# KiCad board frothfet.kicad_pcb
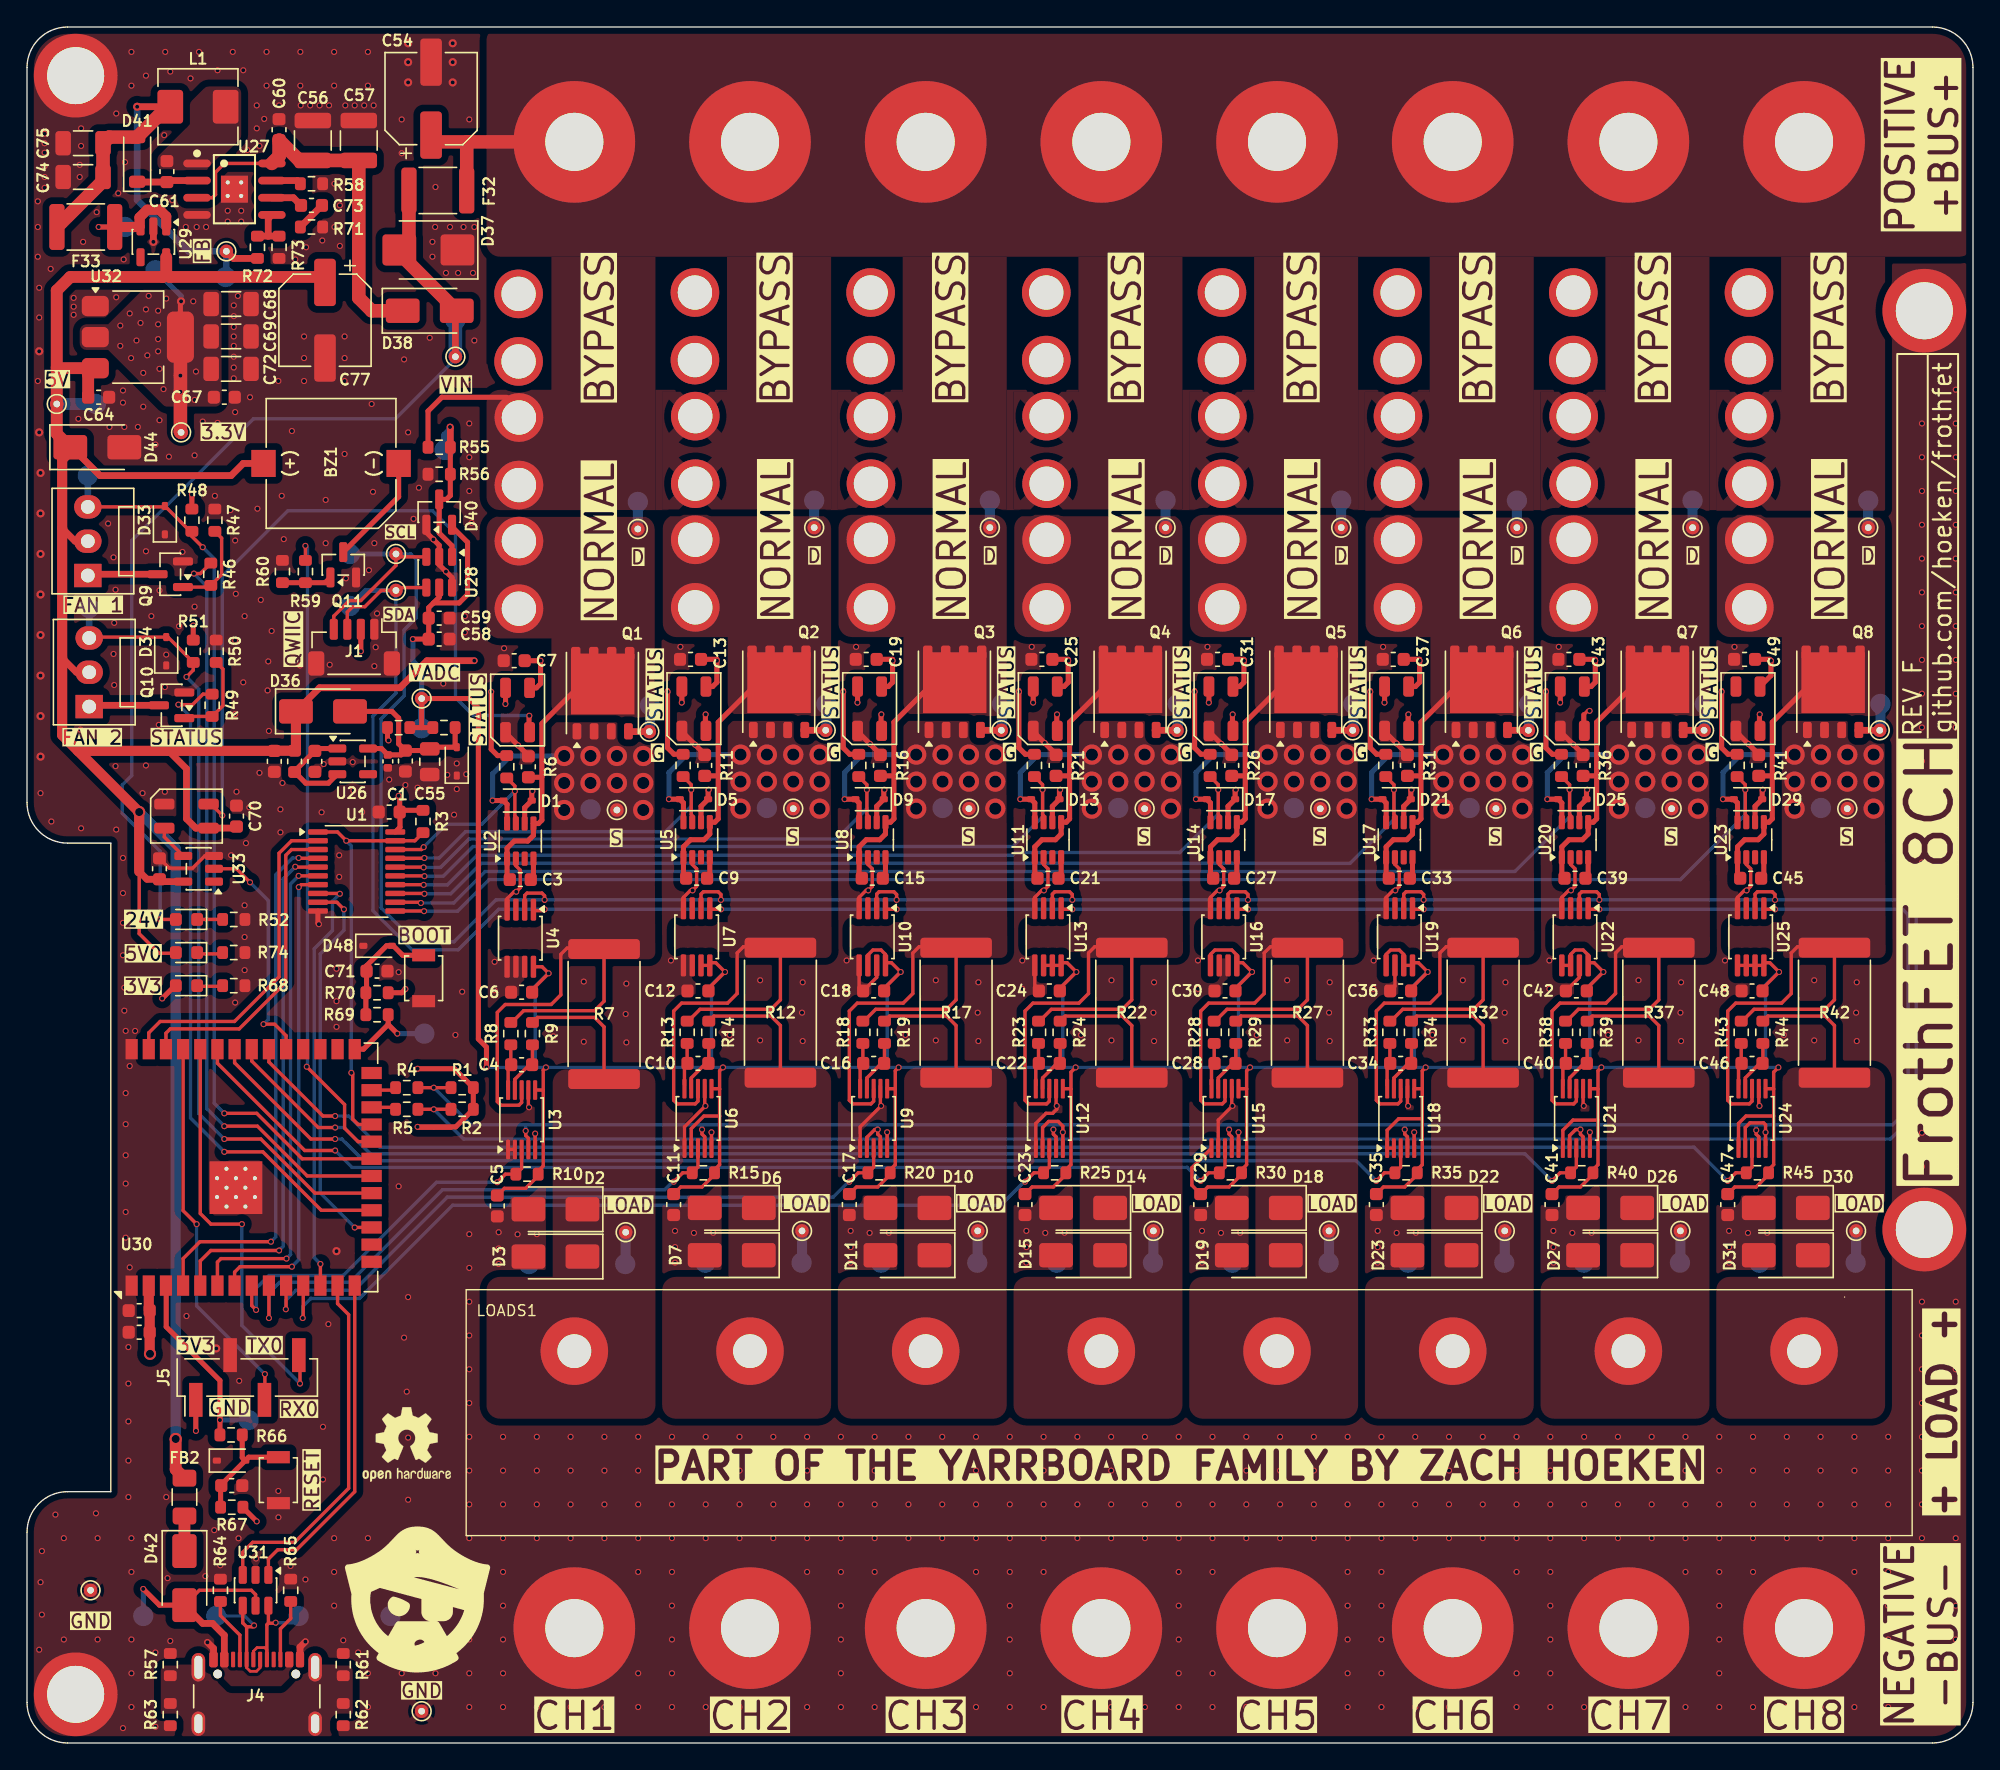
[diagram p0: board, top side]
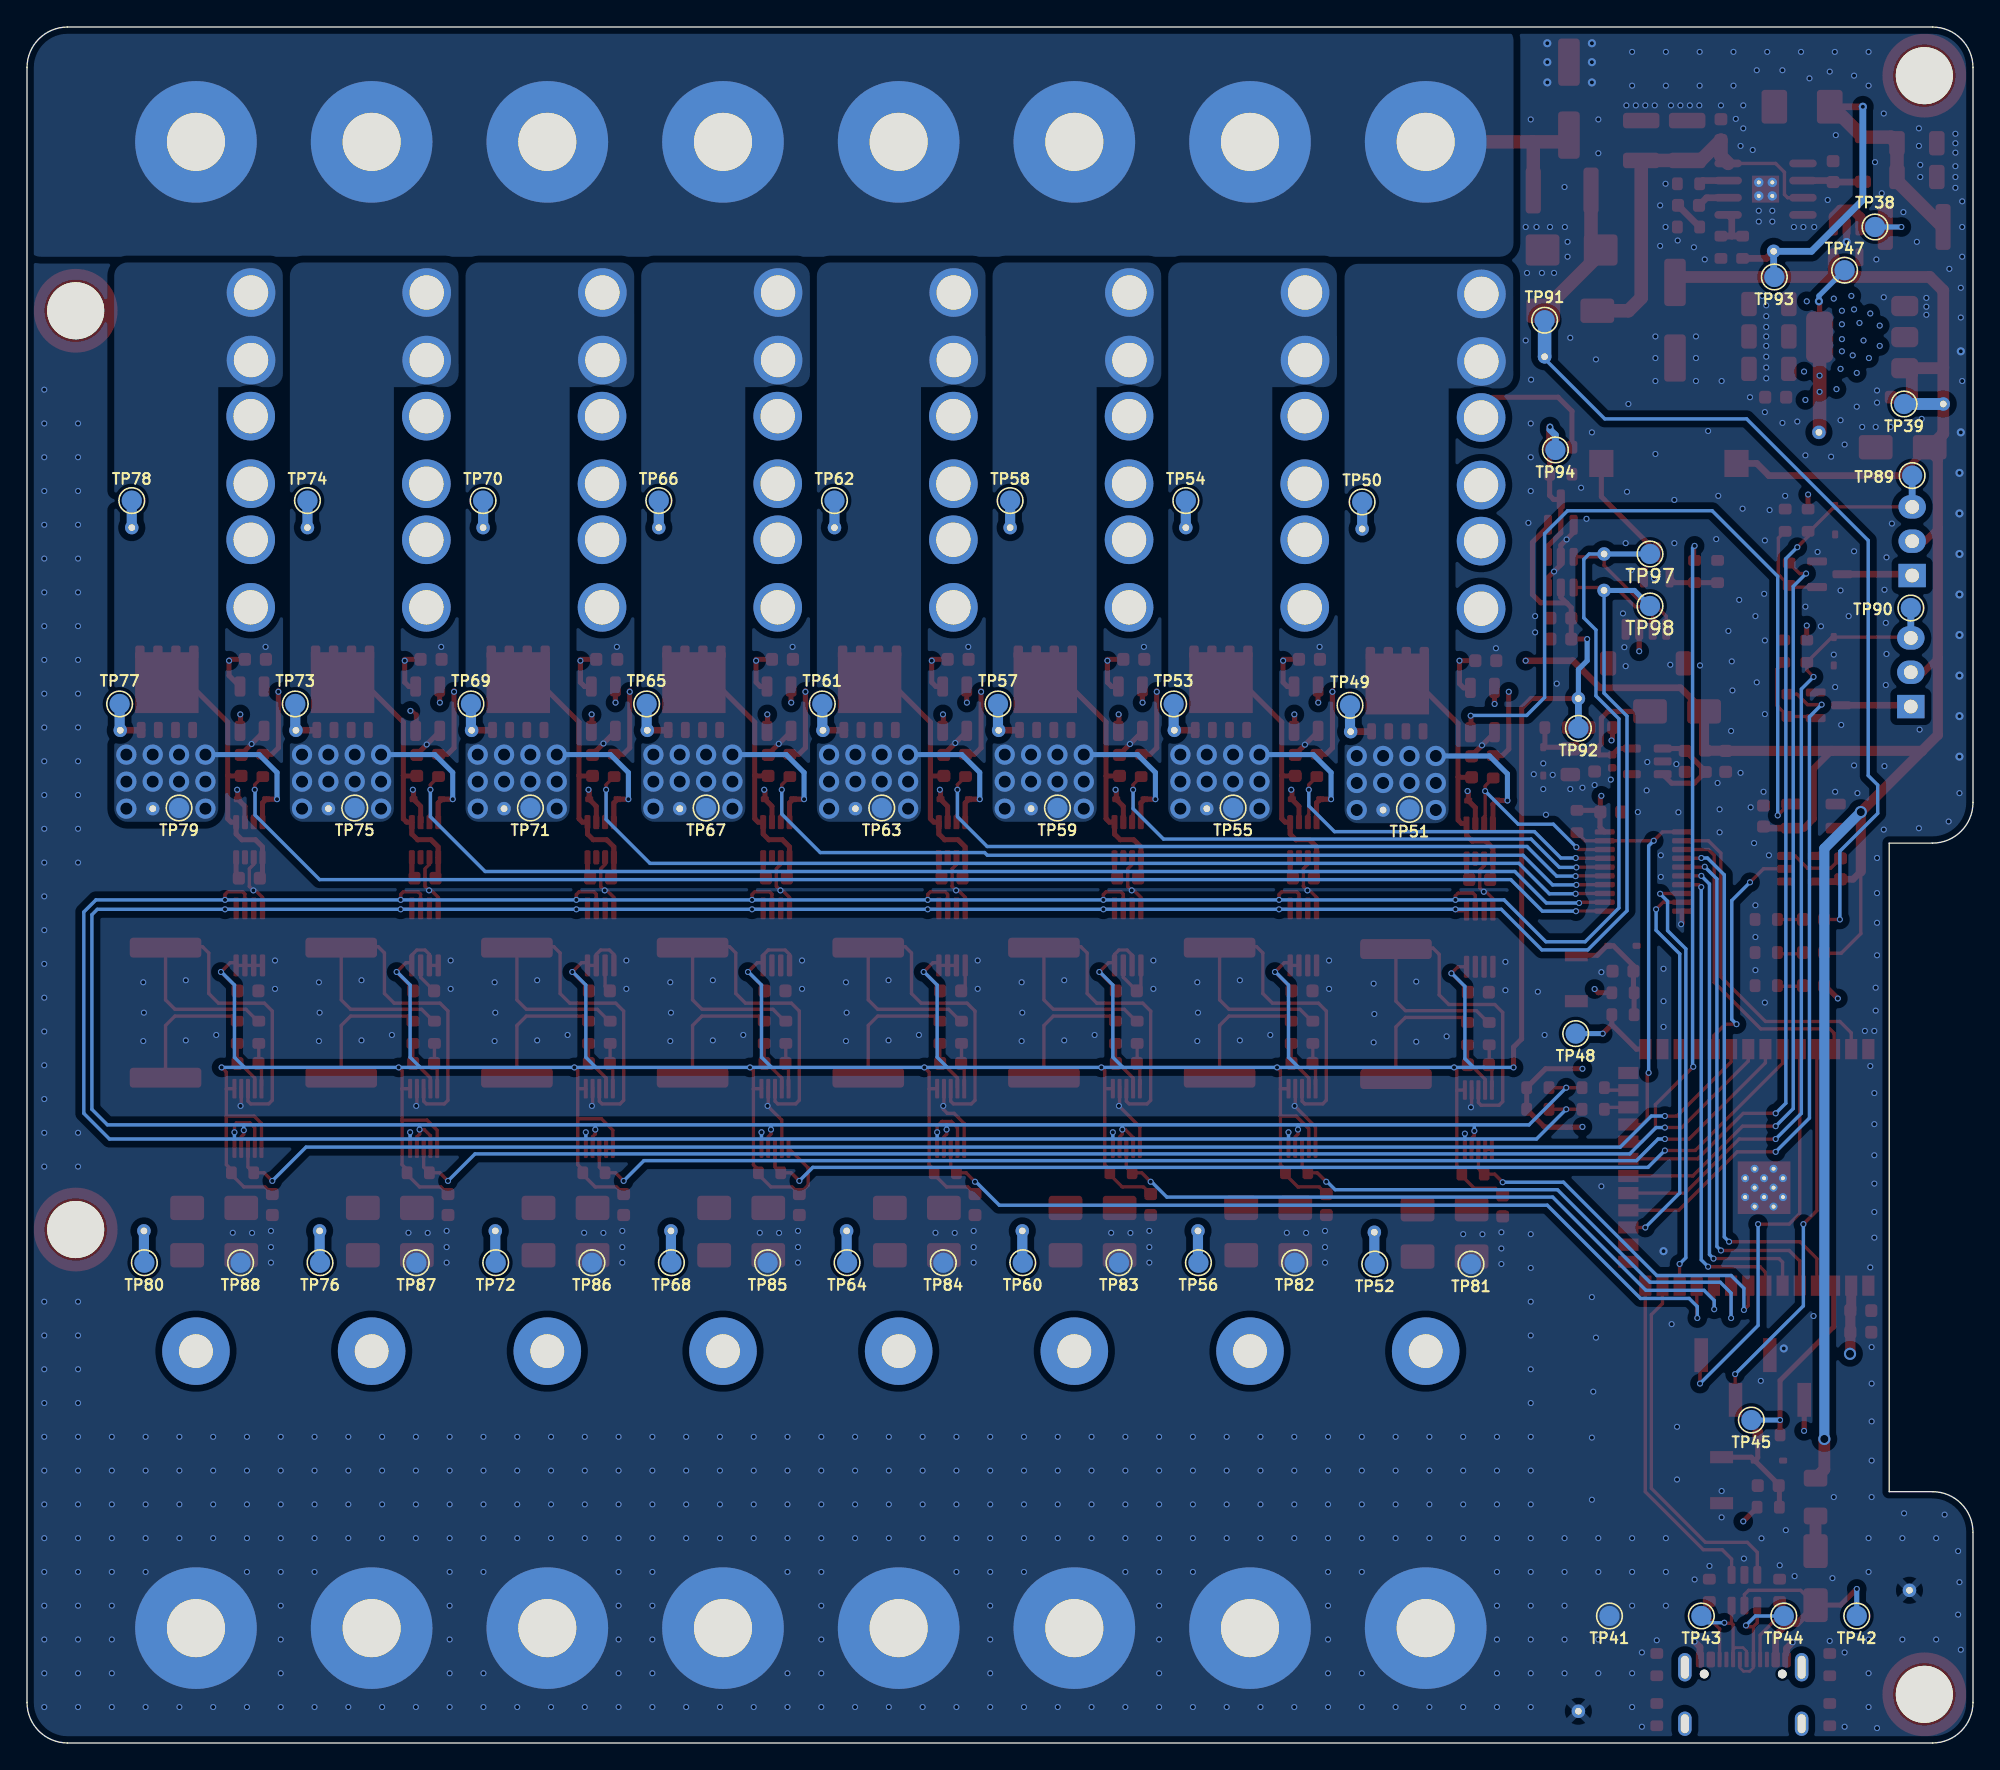
[diagram p1: board, bottom side, seen from below]

Outline 144 x 127 mm; copper layers: Top, In1.Cu, In2.Cu, Bottom. Coordinates in mm from the lower left corner of the outline.
Outline path: 0,124 0,69.6 arc(0.88,67.48) 3,66.6 6.2,66.6 6.2,18.6 3,18.6 arc(0.88,17.72) 0,15.6 0,3 arc(0.88,0.88) 3,0 141,0 arc(143.12,0.88) 144,3 144,124 arc(143.12,126.12) 141,127 3,127 arc(0.88,126.12) 0,124
Stack: Top 0.07mm / dielectric 0.1mm FR4 er 4.5 / In1.Cu 0.015mm / dielectric 1.23mm FR4 er 4.5 / In2.Cu 0.015mm / dielectric 0.1mm FR4 er 4.5 / Bottom 0.07mm

## Placement (name value [footprint] x y rotation side)
ATC1  20A  [ATC Fuse]  37.3 91 0 top
BZ1  Buzzer  [Buzzer_FUET_9.6x9.6]  22.5 94.7 90 top
C1  100nF  [C_0603_1608Metric]  26.8 68.9 180 top
C2  100nF  [C_0603_1608Metric]  37.1 72.25 90 top
C3  220nF  [C_0603_1608Metric]  36.5 63.9 0 top
C4  100nF  [C_0603_1608Metric]  36.6 50.2 0 top
C5  100nF  [C_0603_1608Metric]  34.8 39.75 270 top
C6  100nF  [C_0603_1608Metric]  36.6 55.56 180 top
C7  100nF  [C_0603_1608Metric]  36.05 80.1 0 top
C8  100nF  [C_0603_1608Metric]  50.15 72.35 90 top
C9  220nF  [C_0603_1608Metric]  49.55 64 0 top
C10  100nF  [C_0603_1608Metric]  49.65 50.3 0 top
C11  100nF  [C_0603_1608Metric]  47.85 39.85 270 top
C12  100nF  [C_0603_1608Metric]  49.65 55.66 180 top
C13  100nF  [C_0603_1608Metric]  49.1 80.2 0 top
C14  100nF  [C_0603_1608Metric]  63.15 72.35 90 top
C15  220nF  [C_0603_1608Metric]  62.55 64 0 top
C16  100nF  [C_0603_1608Metric]  62.65 50.3 0 top
C17  100nF  [C_0603_1608Metric]  60.85 39.85 270 top
C18  100nF  [C_0603_1608Metric]  62.65 55.66 180 top
C19  100nF  [C_0603_1608Metric]  62.1 80.2 0 top
C20  100nF  [C_0603_1608Metric]  76.15 72.35 90 top
C21  220nF  [C_0603_1608Metric]  75.55 64 0 top
C22  100nF  [C_0603_1608Metric]  75.65 50.3 0 top
C23  100nF  [C_0603_1608Metric]  73.85 39.85 270 top
C24  100nF  [C_0603_1608Metric]  75.65 55.66 180 top
C25  100nF  [C_0603_1608Metric]  75.1 80.2 0 top
C26  100nF  [C_0603_1608Metric]  89.15 72.35 90 top
C27  220nF  [C_0603_1608Metric]  88.55 64 0 top
C28  100nF  [C_0603_1608Metric]  88.65 50.3 0 top
C29  100nF  [C_0603_1608Metric]  86.85 39.85 270 top
C30  100nF  [C_0603_1608Metric]  88.65 55.66 180 top
C31  100nF  [C_0603_1608Metric]  88.1 80.2 0 top
C32  100nF  [C_0603_1608Metric]  102.15 72.35 90 top
C33  220nF  [C_0603_1608Metric]  101.55 64 0 top
C34  100nF  [C_0603_1608Metric]  101.65 50.3 0 top
C35  100nF  [C_0603_1608Metric]  99.85 39.85 270 top
C36  100nF  [C_0603_1608Metric]  101.65 55.66 180 top
C37  100nF  [C_0603_1608Metric]  101.1 80.2 0 top
C38  100nF  [C_0603_1608Metric]  115.15 72.35 90 top
C39  220nF  [C_0603_1608Metric]  114.55 64 0 top
C40  100nF  [C_0603_1608Metric]  114.65 50.3 0 top
C41  100nF  [C_0603_1608Metric]  112.85 39.85 270 top
C42  100nF  [C_0603_1608Metric]  114.65 55.66 180 top
C43  100nF  [C_0603_1608Metric]  114.1 80.2 0 top
C44  100nF  [C_0603_1608Metric]  128.15 72.35 90 top
C45  220nF  [C_0603_1608Metric]  127.55 64 0 top
C46  100nF  [C_0603_1608Metric]  127.65 50.3 0 top
C47  100nF  [C_0603_1608Metric]  125.85 39.85 270 top
C48  100nF  [C_0603_1608Metric]  127.65 55.66 180 top
C49  100nF  [C_0603_1608Metric]  127.1 80.2 0 top
C50  1uF  [C_0603_1608Metric]  18.3 72.65 270 top
C51  100nF  [C_0603_1608Metric]  21.3 72.65 270 top
C52  1nF  [C_0402_1005Metric]  26.7 72.65 270 top
C53  100nF  [C_0603_1608Metric]  28 72.67 270 top
C54  100uF/50v  [CP_Elec_6.3x7.7]  29.9 121.7 90 top
C55  10uF  [C_0805_2012Metric]  29.8 72.62 270 top
C56  10uF  [C_1210_3225Metric]  21.15 118.6 90 top
C57  10uF  [C_1210_3225Metric]  24.55 118.6 90 top
C58  10uF  [C_0603_1608Metric]  30.5 81.7 0 top
C59  100nF  [C_0603_1608Metric]  30.5 83.25 0 top
C60  100nF  [C_0603_1608Metric]  18.65 119.4 90 top
C61  100nF  [C_0603_1608Metric]  10.35 116.3 90 top
C62  22uF  [C_0603_1608Metric]  8.3 32 180 top
C63  100nF  [C_0603_1608Metric]  8.3 30.4 180 top
C64  1uF  [C_0603_1608Metric]  5.3 99.6 0 top
C65  100nF  [C_0603_1608Metric]  9.8 64.7 90 top
C66  1uF  [C_0603_1608Metric]  15.15 19.05 0 top
C67  4.7uF  [C_0603_1608Metric]  14.6 99.6 0 top
C68  100uF / 6.3v  [C_1206_3216Metric]  15.1 106.5 0 top
C69  100uF / 6.3v  [C_1206_3216Metric]  15.1 104.1 0 top
C70  100nF  [C_0603_1608Metric]  15.5 68.6 90 top
C71  1uF  [C_0603_1608Metric]  25.9 57.12 180 top
C72  100uF / 6.3v  [C_1206_3216Metric]  15.1 101.7 0 top
C73  2.7nF  [C_0603_1608Metric]  21.05 113.8 180 top
C74  22uF  [C_1206_3216Metric]  4.15 115.9 180 top
C75  22uF  [C_1206_3216Metric]  4.15 118.4 180 top
C77  220uF / 16v  [CP_Elec_6.3x5.4]  22.05 105.3 270 top
D1  BZT52C20S  [D_SOD-323]  36.3 69.75 180 top
D2  SS54  [D_SMA]  39.1 39.5 180 top
D3  SMAJ30CA  [D_SMA]  39.1 36 180 top
D4  WS2812B-Mini  [LED_WS2812B-Mini_PLCC4_3.5x3.5mm]  36.3 76.45 270 top
D5  BZT52C20S  [D_SOD-323]  49.35 69.85 180 top
D6  SS54  [D_SMA]  52.15 39.6 180 top
D7  SMAJ30CA  [D_SMA]  52.15 36.1 180 top
D8  WS2812B-Mini  [LED_WS2812B-Mini_PLCC4_3.5x3.5mm]  49.35 76.55 270 top
D9  BZT52C20S  [D_SOD-323]  62.35 69.85 180 top
D10  SS54  [D_SMA]  65.15 39.6 180 top
D11  SMAJ30CA  [D_SMA]  65.15 36.1 180 top
D12  WS2812B-Mini  [LED_WS2812B-Mini_PLCC4_3.5x3.5mm]  62.35 76.55 270 top
D13  BZT52C20S  [D_SOD-323]  75.35 69.85 180 top
D14  SS54  [D_SMA]  78.15 39.6 180 top
D15  SMAJ30CA  [D_SMA]  78.15 36.1 180 top
D16  WS2812B-Mini  [LED_WS2812B-Mini_PLCC4_3.5x3.5mm]  75.35 76.55 270 top
D17  BZT52C20S  [D_SOD-323]  88.35 69.85 180 top
D18  SS54  [D_SMA]  91.15 39.6 180 top
D19  SMAJ30CA  [D_SMA]  91.15 36.1 180 top
D20  WS2812B-Mini  [LED_WS2812B-Mini_PLCC4_3.5x3.5mm]  88.35 76.55 270 top
D21  BZT52C20S  [D_SOD-323]  101.35 69.85 180 top
D22  SS54  [D_SMA]  104.15 39.6 180 top
D23  SMAJ30CA  [D_SMA]  104.15 36.1 180 top
D24  WS2812B-Mini  [LED_WS2812B-Mini_PLCC4_3.5x3.5mm]  101.35 76.55 270 top
D25  BZT52C20S  [D_SOD-323]  114.35 69.85 180 top
D26  SS54  [D_SMA]  117.15 39.6 180 top
D27  SMAJ30CA  [D_SMA]  117.15 36.1 180 top
D28  WS2812B-Mini  [LED_WS2812B-Mini_PLCC4_3.5x3.5mm]  114.35 76.55 270 top
D29  BZT52C20S  [D_SOD-323]  127.35 69.85 180 top
D30  SS54  [D_SMA]  130.15 39.6 180 top
D31  SMAJ30CA  [D_SMA]  130.15 36.1 180 top
D32  WS2812B-Mini  [LED_WS2812B-Mini_PLCC4_3.5x3.5mm]  127.35 76.55 270 top
D33  PESD3V3L1BA  [D_SOD-323]  10.2 90.5 90 top
D34  PESD3V3L1BA  [D_SOD-323]  10.3 80.8 90 top
D35  GREEN  [LED_0603_1608Metric]  11.8 60.95 180 top
D36  SS54  [D_SMA]  21.9 76.35 0 top
D37  SMBJ30CA  [D_SMB]  29.7 110.5 180 top
D38  SS54  [D_SMA]  29.8 106 0 top
D39  PESD3V3L1BA  [D_SOD-323]  31.8 72.65 90 top
D40  BAV199  [SOT-23]  30.5 91.1 90 top
D41  1N4148W  [D_SOD-123]  8.15 117.2 90 top
D42  SS34  [D_SMA]  11.65 12.2 270 top
D43  GREEN  [LED_0603_1608Metric]  11.8 58.5 180 top
D44  SMAJ5.0A  [D_SMA]  5.2 95.9 0 top
D45  PESD3V3L1BA  [D_SOD-323]  15.1 20.9 0 top
D46  GREEN  [LED_0603_1608Metric]  11.8 56.05 180 top
D47  WS2812B-Mini  [LED_WS2812B-Mini_PLCC4_3.5x3.5mm]  11.8 68.6 180 top
D48  PESD3V3L1BA  [D_SOD-323]  25.94 59 0 top
F4  20A  [ATC Fuse]  50.35 91.1 0 top
F8  20A  [ATC Fuse]  63.35 91.1 0 top
F12  20A  [ATC Fuse]  76.35 91.1 0 top
F16  20A  [ATC Fuse]  89.35 91.1 0 top
F20  20A  [ATC Fuse]  102.35 91.1 0 top
F24  20A  [ATC Fuse]  115.35 91.1 0 top
F28  20A  [ATC Fuse]  128.35 91.1 0 top
F32  500mA  [Fuse_1812_4532Metric]  30.4 114.9 0 top
F33  mSMD150  [Fuse_1812_4532Metric]  4.35 112.2 180 top
F42  T507  [XFCN T507]  36.4 86.45 0 top
F43  T507  [XFCN T507]  36.4 95.6 0 top
F44  T507  [XFCN T507]  36.38 104.75 0 top
F45  T507  [XFCN T507]  49.45 86.55 0 top
F46  T507  [XFCN T507]  49.45 95.7 0 top
F47  T507  [XFCN T507]  49.42 104.85 0 top
F48  T507  [XFCN T507]  62.45 86.55 0 top
F49  T507  [XFCN T507]  62.45 95.7 0 top
F50  T507  [XFCN T507]  62.42 104.85 0 top
F51  T507  [XFCN T507]  75.45 86.55 0 top
F52  T507  [XFCN T507]  75.45 95.7 0 top
F53  T507  [XFCN T507]  75.43 104.85 0 top
F54  T507  [XFCN T507]  88.45 86.55 0 top
F55  T507  [XFCN T507]  88.45 95.7 0 top
F56  T507  [XFCN T507]  88.43 104.85 0 top
F57  T507  [XFCN T507]  101.45 86.55 0 top
F58  T507  [XFCN T507]  101.45 95.7 0 top
F59  T507  [XFCN T507]  101.43 104.85 0 top
F60  T507  [XFCN T507]  114.45 86.55 0 top
F61  T507  [XFCN T507]  114.45 95.7 0 top
F62  T507  [XFCN T507]  114.43 104.85 0 top
F63  T507  [XFCN T507]  127.45 86.55 0 top
F64  T507  [XFCN T507]  127.45 95.7 0 top
F65  T507  [XFCN T507]  127.43 104.85 0 top
FB1  BLM18AG121SN1D  [L_0603_1608Metric]  19.8 72.65 270 top
FB2  1.5A  [Fuse_1206_3216Metric]  11.65 18.2 90 top
H1  ~  [SMTSO30XXX]  3.6 3.6 0 top
H2  ~  [SMTSO30XXX]  3.6 123.4 0 top
H3  ~  [SMTSO30XXX]  140.4 106 0 top
H4  ~  [SMTSO30XXX]  140.4 38 0 top
J1  Conn_01x04_MountingPin  [JST_SH_BM04B-SRSS-TB_1x04-1MP_P1.00mm_Vertical]  24.2 81.1 180 top
J2  Screw_Terminal_01x08  [Frothfet Busbar Positive Rev E]  40.5 118.5 0 bottom
J3  Screw_Terminal_01x08  [Frothfet Busbar Negative Rev E]  40.5 8.5 0 bottom
J4  USB_TYPE_C_16PIN  [USB_C_Receptacle_GCT_USB4105-xx-A_16P_TopMnt_Horizontal]  17 2.5 0 top
J5  Conn_01x04  [PinHeader_1x04_P2.54mm_Vertical_SMD_Pin1Left]  16.3 27.05 90 top
L1  6.8uH  [L_Chilisin_BMRA00050530]  12.65 121.1 180 top
LOADS1  Screw_Terminal_01x08  [KF78S-13.0-8P]  40.5 29 0 top
LOGO1  Logo_Open_Hardware_Small  [Logo Small]  28.9 10.6 0 top
LOGO2  Logo_Open_Hardware_Small  [OSHW-Logo2_7.3x6mm_SilkScreen]  28.1 22.1 0 top
M1  Fan_Tacho  [FanPinHeader_1x03_P2.54mm_Vertical]  4.5 86.41 90 top
M2  Fan_Tacho  [FanPinHeader_1x03_P2.54mm_Vertical]  4.6 76.7 90 top
Q1  BSC010N04LS  [Infineon_PG-TDSON-8_6.15x5.15mm]  42.6 77.7 90 top
Q2  BSC010N04LS  [Infineon_PG-TDSON-8_6.15x5.15mm]  55.65 77.8 90 top
Q3  BSC010N04LS  [Infineon_PG-TDSON-8_6.15x5.15mm]  68.65 77.8 90 top
Q4  BSC010N04LS  [Infineon_PG-TDSON-8_6.15x5.15mm]  81.65 77.8 90 top
Q5  BSC010N04LS  [Infineon_PG-TDSON-8_6.15x5.15mm]  94.65 77.8 90 top
Q6  BSC010N04LS  [Infineon_PG-TDSON-8_6.15x5.15mm]  107.65 77.8 90 top
Q7  BSC010N04LS  [Infineon_PG-TDSON-8_6.15x5.15mm]  120.65 77.8 90 top
Q8  BSC010N04LS  [Infineon_PG-TDSON-8_6.15x5.15mm]  133.65 77.8 90 top
Q9  AO3400A  [SOT-23]  10.6 86.5 180 top
Q10  AO3400A  [SOT-23]  10.7 76.8 180 top
Q11  AO3400A  [SOT-23]  23.4 87.2 90 top
R1  2.2k  [R_0603_1608Metric]  32.2 48.5 0 top
R2  2.2k  [R_0603_1608Metric]  32.2 46.9 0 top
R3  10k  [R_0603_1608Metric]  29.3 68.2 270 top
R4  0R  [R_0603_1608Metric]  28.1 46.9 0 top
R5  0R  [R_0603_1608Metric]  28.1 48.5 180 top
R6  10k  [R_0603_1608Metric]  35.5 72.25 90 top
R7  2 mOhm  [R_4020_10251Metric]  42.7 53.95 270 top
R8  4.7R 1%  [R_0603_1608Metric]  35.8 52.5 90 top
R9  4.7R 1%  [R_0603_1608Metric]  37.4 52.5 90 top
R10  10k  [R_0603_1608Metric]  37 42.1 0 top
R11  10k  [R_0603_1608Metric]  48.55 72.35 90 top
R12  2 mOhm  [R_4020_10251Metric]  55.75 54.05 270 top
R13  4.7R 1%  [R_0603_1608Metric]  48.85 52.6 90 top
R14  4.7R 1%  [R_0603_1608Metric]  50.45 52.6 90 top
R15  10k  [R_0603_1608Metric]  50.05 42.2 0 top
R16  10k  [R_0603_1608Metric]  61.55 72.35 90 top
R17  2 mOhm  [R_4020_10251Metric]  68.75 54.05 270 top
R18  4.7R 1%  [R_0603_1608Metric]  61.85 52.6 90 top
R19  4.7R 1%  [R_0603_1608Metric]  63.45 52.6 90 top
R20  10k  [R_0603_1608Metric]  63.05 42.2 0 top
R21  10k  [R_0603_1608Metric]  74.55 72.35 90 top
R22  2 mOhm  [R_4020_10251Metric]  81.75 54.05 270 top
R23  4.7R 1%  [R_0603_1608Metric]  74.85 52.6 90 top
R24  4.7R 1%  [R_0603_1608Metric]  76.45 52.6 90 top
R25  10k  [R_0603_1608Metric]  76.05 42.2 0 top
R26  10k  [R_0603_1608Metric]  87.55 72.35 90 top
R27  2 mOhm  [R_4020_10251Metric]  94.75 54.05 270 top
R28  4.7R 1%  [R_0603_1608Metric]  87.85 52.6 90 top
R29  4.7R 1%  [R_0603_1608Metric]  89.45 52.6 90 top
R30  10k  [R_0603_1608Metric]  89.05 42.2 0 top
R31  10k  [R_0603_1608Metric]  100.55 72.35 90 top
R32  2 mOhm  [R_4020_10251Metric]  107.75 54.05 270 top
R33  4.7R 1%  [R_0603_1608Metric]  100.85 52.6 90 top
R34  4.7R 1%  [R_0603_1608Metric]  102.45 52.6 90 top
R35  10k  [R_0603_1608Metric]  102.05 42.2 0 top
R36  10k  [R_0603_1608Metric]  113.55 72.35 90 top
R37  2 mOhm  [R_4020_10251Metric]  120.75 54.05 270 top
R38  4.7R 1%  [R_0603_1608Metric]  113.85 52.6 90 top
R39  4.7R 1%  [R_0603_1608Metric]  115.45 52.6 90 top
R40  10k  [R_0603_1608Metric]  115.05 42.2 0 top
R41  10k  [R_0603_1608Metric]  126.55 72.35 90 top
R42  2 mOhm  [R_4020_10251Metric]  133.75 54.05 270 top
R43  4.7R 1%  [R_0603_1608Metric]  126.85 52.6 90 top
R44  4.7R 1%  [R_0603_1608Metric]  128.45 52.6 90 top
R45  10k  [R_0603_1608Metric]  128.05 42.2 0 top
R46  100R  [R_0603_1608Metric]  13.6 86.5 90 top
R47  100k  [R_0603_1608Metric]  13.9 90.5 90 top
R48  10k  [R_0603_1608Metric]  12.2 90.5 90 top
R49  100R  [R_0603_1608Metric]  13.7 76.8 90 top
R50  100k  [R_0603_1608Metric]  14 80.8 90 top
R51  10k  [R_0603_1608Metric]  12.3 80.8 90 top
R52  100k  [R_0603_1608Metric]  15.3 60.95 0 top
R53  0R  [R_0603_1608Metric]  30.86 75.15 180 top
R54  0R  [R_0603_1608Metric]  27.5 75.15 180 top  (not fitted)
R55  300K 0.1%  [R_0603_1608Metric]  30.5 95.9 180 top
R56  22K 0.1%  [R_0603_1608Metric]  30.5 93.9 0 top
R57  0R  [R_0603_1608Metric]  10.6 5.8 270 top
R58  82k 1%  [R_0603_1608Metric]  21.05 115.4 0 top
R59  100R  [R_0603_1608Metric]  20.6 86.7 90 top
R60  100k  [R_0603_1608Metric]  18.9 86.7 90 top
R61  0R  [R_0603_1608Metric]  23.4 5.8 270 top
R62  0R  [R_0603_1608Metric]  23.4 2.1 90 top
R63  0R  [R_0603_1608Metric]  10.6 2.1 90 top
R64  5.1k  [R_0603_1608Metric]  14.31 11.3 90 top
R65  5.1k  [R_0603_1608Metric]  19.51 11.3 90 top
R66  100R  [R_0603_1608Metric]  15.1 22.8 180 top
R67  10k  [R_0603_1608Metric]  15.15 17.45 180 top
R68  5.1k  [R_0603_1608Metric]  15.3 56.05 0 top
R69  100R  [R_0603_1608Metric]  25.9 53.9 0 top
R70  10k  [R_0603_1608Metric]  25.9 55.53 0 top
R71  24k  [R_0603_1608Metric]  21.05 112.2 0 top
R72  62k 1%  [R_0603_1608Metric]  17.05 110.7 90 top
R73  11.8k 1%  [R_0603_1608Metric]  18.65 110.7 270 top
R74  10k  [R_0603_1608Metric]  15.3 58.5 0 top
SW1  ~  [SW_SPST_B3U-1000P]  18.6 19.45 270 top
SW2  ~  [SW_SPST_B3U-1000P]  29.35 56.6 270 top
TP1  ~  [TestPoint_THTPad_D1.0mm_Drill0.5mm]  27.3 88 0 top
TP2  ~  [TestPoint_THTPad_D1.0mm_Drill0.5mm]  27.3 85.3 0 top
TP3  ~  [TestPoint_THTPad_D1.0mm_Drill0.5mm]  46.05 74.85 0 top
TP4  ~  [TestPoint_THTPad_D1.0mm_Drill0.5mm]  45.2 89.85 0 top
TP5  ~  [TestPoint_THTPad_D1.0mm_Drill0.5mm]  43.65 69.05 0 top
TP6  ~  [TestPoint_THTPad_D1.0mm_Drill0.5mm]  44.3 37.8 0 top
TP7  ~  [TestPoint_THTPad_D1.0mm_Drill0.5mm]  59.1 74.95 0 top
TP8  ~  [TestPoint_THTPad_D1.0mm_Drill0.5mm]  58.25 89.95 0 top
TP9  ~  [TestPoint_THTPad_D1.0mm_Drill0.5mm]  56.7 69.15 0 top
TP10  ~  [TestPoint_THTPad_D1.0mm_Drill0.5mm]  57.35 37.9 0 top
TP11  ~  [TestPoint_THTPad_D1.0mm_Drill0.5mm]  72.1 74.95 0 top
TP12  ~  [TestPoint_THTPad_D1.0mm_Drill0.5mm]  71.25 89.95 0 top
TP13  ~  [TestPoint_THTPad_D1.0mm_Drill0.5mm]  69.7 69.15 0 top
TP14  ~  [TestPoint_THTPad_D1.0mm_Drill0.5mm]  70.35 37.9 0 top
TP15  ~  [TestPoint_THTPad_D1.0mm_Drill0.5mm]  85.1 74.95 0 top
TP16  ~  [TestPoint_THTPad_D1.0mm_Drill0.5mm]  84.25 89.95 0 top
TP17  ~  [TestPoint_THTPad_D1.0mm_Drill0.5mm]  82.7 69.15 0 top
TP18  ~  [TestPoint_THTPad_D1.0mm_Drill0.5mm]  83.35 37.9 0 top
TP19  ~  [TestPoint_THTPad_D1.0mm_Drill0.5mm]  98.1 74.95 0 top
TP20  ~  [TestPoint_THTPad_D1.0mm_Drill0.5mm]  97.25 89.95 0 top
TP21  ~  [TestPoint_THTPad_D1.0mm_Drill0.5mm]  95.7 69.15 0 top
TP22  ~  [TestPoint_THTPad_D1.0mm_Drill0.5mm]  96.35 37.9 0 top
TP23  ~  [TestPoint_THTPad_D1.0mm_Drill0.5mm]  111.1 74.95 0 top
TP24  ~  [TestPoint_THTPad_D1.0mm_Drill0.5mm]  110.25 89.95 0 top
TP25  ~  [TestPoint_THTPad_D1.0mm_Drill0.5mm]  108.7 69.15 0 top
TP26  ~  [TestPoint_THTPad_D1.0mm_Drill0.5mm]  109.35 37.9 0 top
TP27  ~  [TestPoint_THTPad_D1.0mm_Drill0.5mm]  124.1 74.95 0 top
TP28  ~  [TestPoint_THTPad_D1.0mm_Drill0.5mm]  123.25 89.95 0 top
TP29  ~  [TestPoint_THTPad_D1.0mm_Drill0.5mm]  121.7 69.15 0 top
TP30  ~  [TestPoint_THTPad_D1.0mm_Drill0.5mm]  122.35 37.9 0 top
TP31  ~  [TestPoint_THTPad_D1.0mm_Drill0.5mm]  137.1 74.95 0 top
TP32  ~  [TestPoint_THTPad_D1.0mm_Drill0.5mm]  136.25 89.95 0 top
TP33  ~  [TestPoint_THTPad_D1.0mm_Drill0.5mm]  134.7 69.15 0 top
TP34  ~  [TestPoint_THTPad_D1.0mm_Drill0.5mm]  135.35 37.9 0 top
TP35  ~  [TestPoint_THTPad_D1.0mm_Drill0.5mm]  31.7 102.6 0 top
TP36  ~  [TestPoint_THTPad_D1.0mm_Drill0.5mm]  29.2 77.3 0 top
TP37  ~  [TestPoint_THTPad_D1.0mm_Drill0.5mm]  14.75 110.4 0 top
TP38  TestPoint  [TestPoint_Pad_D1.5mm]  7.25 112.2 0 bottom
TP39  TestPoint  [TestPoint_Pad_D1.5mm]  5.1 99.1 0 bottom
TP40  ~  [TestPoint_THTPad_D1.0mm_Drill0.5mm]  2.2 99.1 0 top
TP41  TestPoint  [TestPoint_Pad_D1.5mm]  26.9 9.4 0 bottom
TP42  TestPoint  [TestPoint_Pad_D1.5mm]  8.6 9.4 0 bottom
TP43  TestPoint  [TestPoint_Pad_D1.5mm]  20.1 9.4 0 bottom
TP44  TestPoint  [TestPoint_Pad_D1.5mm]  14 9.4 0 bottom
TP45  TestPoint  [TestPoint_Pad_D1.5mm]  16.4 23.9 0 bottom
TP46  ~  [TestPoint_THTPad_D1.0mm_Drill0.5mm]  11.4 97 0 top
TP47  TestPoint  [TestPoint_Pad_D1.5mm]  9.5 109 0 bottom
TP48  TestPoint  [TestPoint_Pad_D1.5mm]  29.4 52.5 0 bottom
TP49  TestPoint  [TestPoint_Pad_D1.5mm]  46.1 76.8 0 bottom
TP50  TestPoint  [TestPoint_Pad_D1.5mm]  45.2 91.85 0 bottom
TP51  TestPoint  [TestPoint_Pad_D1.5mm]  41.7 69.1 0 bottom
TP52  TestPoint  [TestPoint_Pad_D1.5mm]  44.27 35.45 0 bottom
TP53  TestPoint  [TestPoint_Pad_D1.5mm]  59.15 76.9 0 bottom
TP54  TestPoint  [TestPoint_Pad_D1.5mm]  58.25 91.95 0 bottom
TP55  TestPoint  [TestPoint_Pad_D1.5mm]  54.75 69.2 0 bottom
TP56  TestPoint  [TestPoint_Pad_D1.5mm]  57.32 35.55 0 bottom
TP57  TestPoint  [TestPoint_Pad_D1.5mm]  72.15 76.9 0 bottom
TP58  TestPoint  [TestPoint_Pad_D1.5mm]  71.25 91.95 0 bottom
TP59  TestPoint  [TestPoint_Pad_D1.5mm]  67.75 69.2 0 bottom
TP60  TestPoint  [TestPoint_Pad_D1.5mm]  70.32 35.55 0 bottom
TP61  TestPoint  [TestPoint_Pad_D1.5mm]  85.15 76.9 0 bottom
TP62  TestPoint  [TestPoint_Pad_D1.5mm]  84.25 91.95 0 bottom
TP63  TestPoint  [TestPoint_Pad_D1.5mm]  80.75 69.2 0 bottom
TP64  TestPoint  [TestPoint_Pad_D1.5mm]  83.32 35.55 0 bottom
TP65  TestPoint  [TestPoint_Pad_D1.5mm]  98.15 76.9 0 bottom
TP66  TestPoint  [TestPoint_Pad_D1.5mm]  97.25 91.95 0 bottom
TP67  TestPoint  [TestPoint_Pad_D1.5mm]  93.75 69.2 0 bottom
TP68  TestPoint  [TestPoint_Pad_D1.5mm]  96.32 35.55 0 bottom
TP69  TestPoint  [TestPoint_Pad_D1.5mm]  111.15 76.9 0 bottom
TP70  TestPoint  [TestPoint_Pad_D1.5mm]  110.25 91.95 0 bottom
TP71  TestPoint  [TestPoint_Pad_D1.5mm]  106.75 69.2 0 bottom
TP72  TestPoint  [TestPoint_Pad_D1.5mm]  109.32 35.55 0 bottom
TP73  TestPoint  [TestPoint_Pad_D1.5mm]  124.15 76.9 0 bottom
TP74  TestPoint  [TestPoint_Pad_D1.5mm]  123.25 91.95 0 bottom
TP75  TestPoint  [TestPoint_Pad_D1.5mm]  119.75 69.2 0 bottom
TP76  TestPoint  [TestPoint_Pad_D1.5mm]  122.32 35.55 0 bottom